# KiCad board klofi.kicad_pcb (continued)
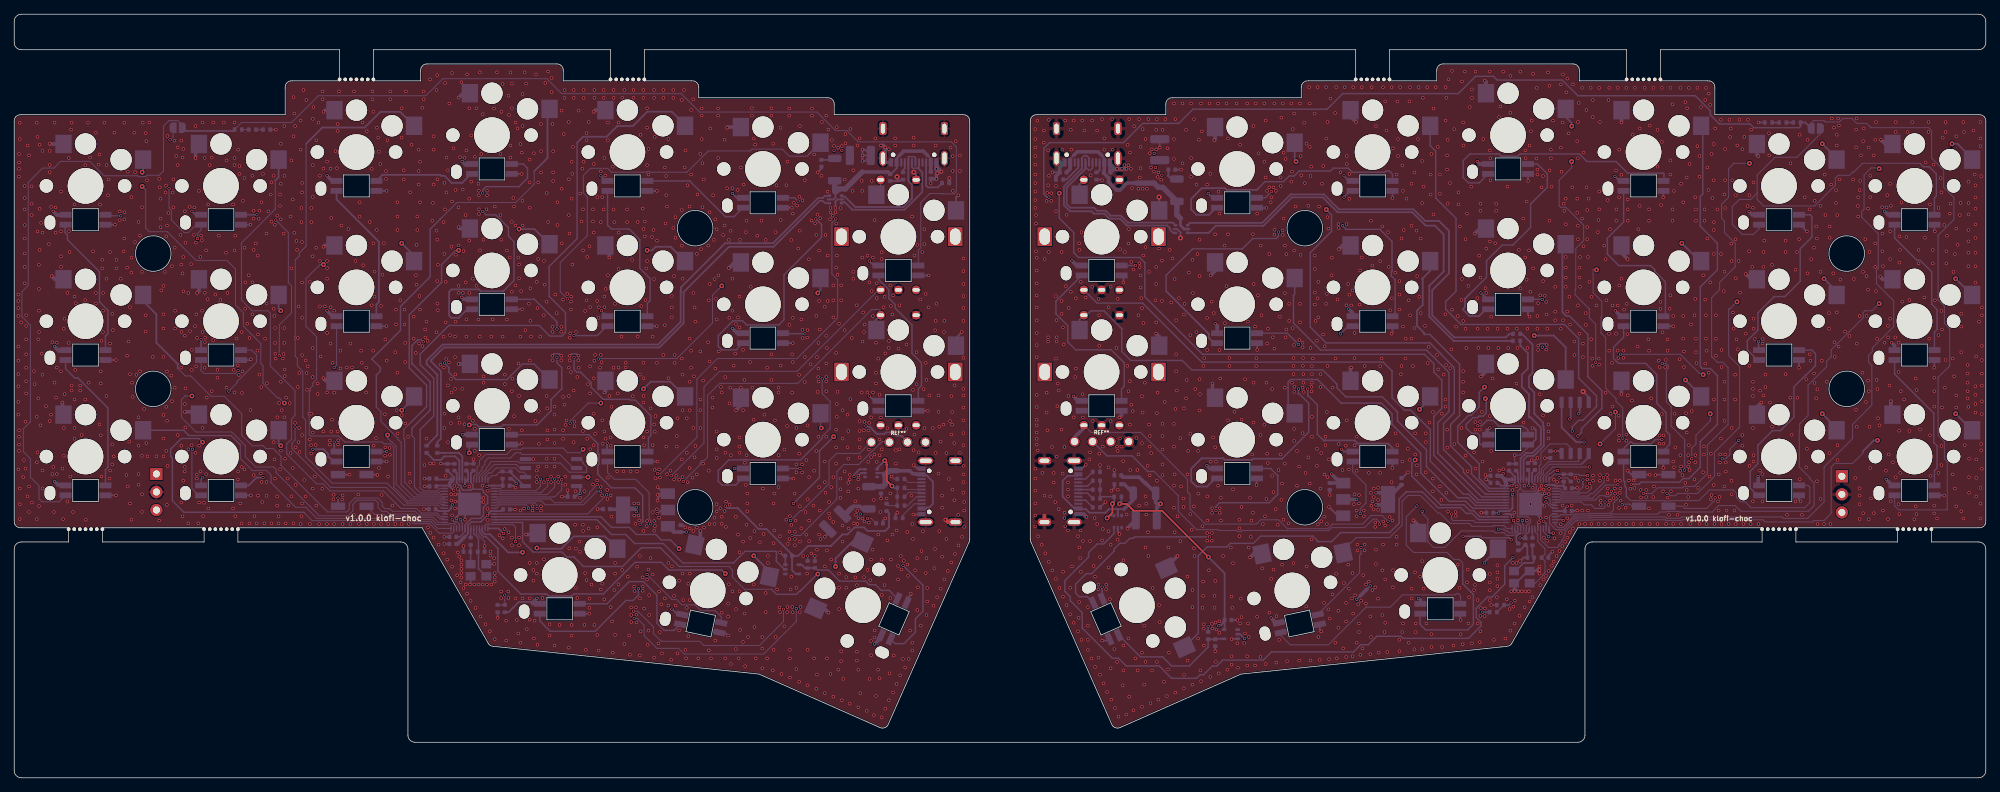
[diagram p0: board, top side]
## Routing (per net, layer and track width the routed paths; a pad name or vN(x,y) marks a point on that pad's centre or on a via; arc(x,y) is an arc through that point) (continued)
/left/AUX-5V: length 17
  Back w0.127: 127.68,42.82 127.59,42.73 J4.A4
  Back w0.254: U4.5 122.09,42.9 122.38,42.62 ; 126.78,42.72 126.68,42.82 ; J4.B4 128.25,37.92 128.4,38.07 128.67,38.07 129.18,38.57 129.18,41.69 128.3,42.57 127.73,42.57 J4.A4
  Back w0.508: 126.68,42.82 126.33,42.82 125.93,43.22 124.18,43.22 ; J4.A4 126.78,42.72
  Back w0.762: 120.88,40.99 122.15,40.99 122.48,41.32 122.48,42.52 122.38,42.62 122.98,43.22 124.18,43.22
/left/AUX-TX: length 10.7
  Front w0.254: v2(123.43,41.07) 122.68,41.82 122.68,44.07 122.65,44.09 122.65,44.4 v2(122.4,44.65)
  Back w0.127: v2(123.43,41.07) 123.38,41.11
  Back w0.152: R8.1 122.68,38.57 122.93,38.32 R12.1 R11.1
  Back w0.254: v2(123.43,41.07) 123.68,40.82 R11.1 ; v2(122.4,44.65) 121.34,43.58 U4.4
/left/D+: length 80.9
  Back w0.254: 114.72,80.92 113.98,80.92 113.68,81.21 113.24,81.21 106.78,74.75 100.49,74.75 94.12,68.38 94.12,63.99 90.7,60.57 60.4,60.57 58.58,58.75 58.58,58.66 59.99,57.25 59.99,47.75 59.49,47.25 R13.1
/left/D-: length 82.4
  Back w0.254: 114.72,81.92 113.98,81.92 113.68,81.63 113.07,81.63 106.69,75.25 105.89,75.25 105.87,75.24 105.48,75.24 105.46,75.25 102.29,75.25 102.27,75.24 101.88,75.24 101.86,75.25 100.69,75.25 100.67,75.24 100.28,75.24 100.26,75.25 99.97,75.25 93.74,69.02 93.74,68.5 93.71,68.47 93.71,64.17 90.53,60.99 60.23,60.99 57.99,58.75 57.99,58.25 59.49,56.75 59.49,48.25 58,46.76 R14.1
/left/D_esd_+: length 19
  Back w0.203: J3.B6 127.23,85.97 127.08,85.82 126.35,85.82 126.23,85.94 J3.A6
  Back w0.254: 127.08,85.82 127.68,85.22 127.68,82.45 125.2,79.97 117.83,79.97 116.79,81.01 116.32,81.01 116.23,80.92
/left/D_esd_-: length 19
  Back w0.203: J3.A7 126.73,87.31 126.6,87.43 125.75,87.43 125.73,87.41 J3.B7
  Back w0.254: 116.23,81.92 116.33,81.82 116.79,81.82 118.26,80.35 125.04,80.35 126.24,81.55 126.24,83.5 125.73,84.01 J3.B7
/left/KEY1: length 64.1
  In1.Cu w0.203: v2(112.99,28.68) 114.42,28.68 v2(115.49,29.75)
  Back w0.152: 95.05,29.75 100.49,29.75 100.99,29.25 100.99,28.25 102.7,26.54 106.48,26.54
  Back w0.203: 106.48,26.54 107.18,25.83 109.99,25.83 110.41,26.25 110.49,26.25 112.99,28.75 112.99,28.74 v2(112.99,28.68) ; 95.05,29.75 93.49,29.75 90.86,32.38 88.18,32.38 85.55,29.75 80.04,29.75 78.71,31.08 77.71,31.08 77.01,31.78 72.96,31.78 71.49,33.25 71.49,35.94 U5.14
  Back w0.254: SW21.1 117.83,33.2 115.49,30.86 v2(115.49,29.75)
/left/KEY2: length 64.4
  In1.Cu w0.203: v2(115.22,48.02) 113.99,49.25 v2(113.49,49.25) ; v1(109.58,38.62) 109,38.62 103.18,32.8 102.03,32.8 99.49,30.25 96.49,30.25 94.49,32.25 v2(93.49,32.25)
  Back w0.203: v2(113.49,49.25) 113.38,49.36 SW18.1 ; U5.12 82.5,36.74 83.99,35.25 86.49,35.25 87.49,34.25 90.22,34.25 90.99,33.48 92.26,33.48 v2(93.49,32.25) ; v2(115.22,48.02) 113.23,46.03 113.23,42.27 v1(109.58,38.62)
/left/KEY3: length 71.2
  In1.Cu w0.152: v1(82.13,58.96) 82.1,58.93 82.1,58.24 81.08,57.22 79.08,57.22 76.53,54.68 76.53,43.3 75.99,42.75 v1(75.99,42.06)
  In1.Cu w0.254: v2(99.49,69.25) 99.84,69.6 106.19,69.6 107.54,68.25 v2(112.99,68.25)
  Back w0.152: v1(82.13,58.96) 82.19,59.02 93.18,59.02 98.19,64.03 98.19,67.95 v2(99.49,69.25) ; v1(75.99,42.06) 75.99,40.93 74.91,39.86 68.36,39.86 68.28,39.94 U5.4
  Back w0.254: SW12.1 113.38,68.64 v2(112.99,68.25)
/left/KEY4: length 93.6
  In1.Cu w0.152: v1(73.99,42.02) 73.99,42.75 74.38,43.14 74.38,56.12 73.85,56.64 73.85,57.39 73.18,58.06 73.18,65.02 74.08,65.92 76.88,65.92 77.78,66.82 v1(77.78,67.42)
  Back w0.152: v1(73.99,42.02) 73.99,41.03 73.38,40.42 68.59,40.42 68.27,40.74 U5.2 ; v1(77.78,67.42) 76.78,68.42 76.78,72.54 80.58,76.34 80.58,81.75 80.02,82.3 80.02,84.79 81.03,85.79 83.44,85.79 83.99,85.25 88.9,85.25 89,85.35 89.35,85.35 89.45,85.25 94.61,85.25 97.6,88.24 103.48,88.24 103.74,88.5 107.99,88.5 108.99,87.5 111.49,87.5 111.74,87.75
  Back w0.254: 113.6,88.52 112.51,88.52 111.74,87.75
/left/KEY5: length 94.4
  Back w0.152: 57.08,46.01 57.08,40.82 57.52,40.38 59.52,40.38 59.88,40.74 U5.41
  Back w0.203: 79.14,89.4 79.14,75.9 75.21,71.97 75.21,67.78 77.51,65.48 77.51,62.67 77.02,62.18 75.31,62.18 73.81,63.68 61.11,63.68 57.09,59.65 57.09,58.15 58.99,56.25 58.99,50.93 57.08,49.02 57.08,46.01
  Back w0.254: 79.14,89.4 79.99,90.25 83.31,90.25 84.81,91.75 86.99,91.75 89.01,93.77 92.47,93.77 94.33,91.91 SW5.1
/left/KEY6: length 59.5
  In1.Cu w0.152: 79.58,68.02 79.58,66.42 77.98,64.82 75.18,64.82 74.58,64.22 74.58,58.12 75.49,57.21 75.49,43.12 75.01,42.64 v1(75.01,42)
  In1.Cu w0.254: 79.58,68.02 79.49,68.11 79.49,71.02 80.21,71.75 80.99,71.75 81.68,72.44 87.18,72.44 v2(88.99,74.25)
  Back w0.152: v1(75.01,42) 75.01,41.05 74.09,40.14 68.48,40.14 68.28,40.34 U5.3
  Back w0.254: v2(88.99,74.25) 89.69,74.25 90.19,74.75 92.31,74.75 SW11.1
/left/KEY7: length 40.1
  In1.Cu w0.152: v1(78.18,49.92) 78.18,47.94 77.58,47.34 77.58,43.34 76.99,42.75 v1(76.99,41.97)
  In1.Cu w0.254: v2(82.49,52.75) 85.33,52.75 86.78,54.2 87.94,54.2 v2(88.49,54.75)
  Back w0.152: 94.48,53.92 94.48,54.62 ; U5.5 76,39.54 76.99,40.53 v1(76.99,41.97) ; v1(78.18,49.92) 78.18,50.22 80.71,52.75 v2(82.49,52.75)
  Back w0.254: SW17.1 92.26,55.75 89.49,55.75 v2(88.49,54.75)
/left/KEY8: length 52.2
  In1.Cu w0.203: v2(103.99,31.25) 102.49,31.25 v2(99.99,28.75)
  Back w0.203: v2(99.99,28.75) 99.49,29.25 92.07,29.25 90.99,30.33 87.29,30.33 82.84,25.88 78.68,25.88 78.39,25.59 75.15,25.59 74.88,25.86 74.88,25.88 74.62,25.88 74.62,25.88 74.2,25.88 74.2,25.88 71.21,25.88 68.01,29.08 68.01,32.28 66.37,33.92 66.01,33.92 65.45,34.48 65.45,34.95 65.41,34.99 U5.18
  Back w0.254: v2(103.99,31.25) 106.2,29.03 SW20.1
/left/KEY9: length 22.7
  In1.Cu w0.254: v2(71.49,31.75) 72.09,32.35 v2(73.49,32.35)
  Back w0.254: 71.68,31.75 v2(71.49,31.75) 71.46,31.73 69.46,31.73 66.91,34.28 66.16,34.28 65.81,34.63 U5.17 ; v2(73.49,32.35) 73.49,32.25 76.94,32.25 78.67,33.98 83.07,33.98 SW19.1
/left/KEY10: length 51.2
  In1.Cu w0.203: v1(60.51,58.38) v1(57.51,61.38)
  Back w0.152: 55.91,48.16 56.28,47.8 56.28,40.92 57.1,40.1 59.7,40.1 59.95,40.34 U5.40
  Back w0.203: v1(60.51,58.38) 61.11,57.78 61.11,57.08 62.13,56.06 69.28,56.06 71.47,58.25 73.09,58.25 SW16.1 ; 55.91,48.16 55.91,49.17 58.49,51.75 58.49,55.75 55.99,58.25 55.91,58.25 55.91,60.84 56.72,61.65 57.24,61.65 v1(57.51,61.38)
/left/KEY11: length 59.5
  In1.Cu w0.254: v2(62.49,74.25) 63.14,74.9 68.64,74.9 v2(70.99,77.25)
  Back w0.152: 55.55,49.81 54.78,49.04 54.78,47.76 54.91,47.62 54.91,41.58 56.68,39.82 60.01,39.82 60.13,39.94 U5.39
  Back w0.203: 55.55,49.81 57.99,52.25 57.99,55.25 55.55,57.69 55.55,65.19 60.09,69.73 60.09,72.25 62.09,74.25 v2(62.49,74.25)
  Back w0.254: v2(70.99,77.25) 73.14,77.25 SW10.1
/left/KEY12: length 77.1
  Back w0.152: 73.11,85.37 73.11,83.58 70.51,80.98 62.24,80.98 60.09,78.83 ; U5.38 60.56,39.54 56.16,39.54 54.41,41.28 54.41,47.18 53.95,47.64 53.95,47.79 51.56,50.18 51.56,51.53 50.91,52.18
  Back w0.203: 50.91,52.18 50.91,56.68 51.49,57.25 51.49,57.75 50.29,58.95 54.31,62.98 54.31,66.36 58.49,70.53 58.49,77.23 60.09,78.83
  Back w0.254: 73.11,85.37 74.99,87.25 74.99,93.88 SW4.1
/left/KEY13: length 85.6
  Back w0.152: 41.04,89.25 41.04,74.83 40.09,73.88 40.09,73.46 39.51,72.88 39.51,62.16 39.45,62.1 39.45,61.74 39.51,61.67 39.51,59.36 39.81,59.06 39.81,57.98 40.58,57.22 40.58,50.77 40.99,50.36 40.99,45.21 44.71,41.48 52.42,41.48 55.16,38.74 55.17,38.74 55.23,38.68 59.83,38.68 60.07,38.44 60.47,38.44 U5.35
  Back w0.254: 41.04,89.25 43.33,91.54 49.28,91.54 51.49,93.75 54.26,93.75 SW3.1
/left/KEY14: length 68.2
  In1.Cu w0.254: v2(54.49,75.25) 54.01,74.77 51.01,74.77 48.49,72.25 v2(43.49,72.25)
  Back w0.152: v2(43.49,72.25) 43.01,72.25 41.01,70.25 41.01,63.58 42.51,62.08 42.51,56.08 41.99,55.55 41.99,55.18 41.6,54.8 41.6,54.44 41.49,54.32 41.49,51.57 41.35,51.43 41.35,51.07 41.49,50.93 41.49,48.3 41.67,48.12 45.63,48.12 46.47,47.28 51.71,47.28 51.97,47.02 52.88,47.02 53.38,46.52 53.38,40.92 55.28,39.02 55.29,39.02 55.33,38.98 59.93,38.98 60.07,38.84 60.47,38.84 U5.36
  Back w0.254: SW9.1 56.23,73.51 v2(54.49,75.25)
/left/KEY15: length 23.2
  In1.Cu w0.152: v2(54.49,51.75) 53.89,51.15 52.93,51.15 51.99,50.2 51.99,49.25 52.49,48.75 v2(52.49,48.25)
  Back w0.152: U5.37 60.47,39.24 60.07,39.24 60.05,39.26 55.78,39.26 53.71,41.32 53.71,46.68 53.07,47.32 52.99,47.32 52.49,47.82 v2(52.49,48.25)
  Back w0.254: v2(54.49,51.75) 56.23,53.49 SW15.1
/left/KEY16: length 69
  In1.Cu w0.203: v2(37.49,46.75) 32.49,46.75 30.99,48.25 28.49,48.25 28.16,47.93 27.16,47.93 v2(26.49,47.25)
  Back w0.152: U5.27 61.81,34.66 61.57,34.43 59.76,34.43 58.41,35.78 56.16,35.78 55.72,36.22 41.87,36.22 40.86,37.23
  Back w0.203: v2(26.49,47.25) 25.97,47.76 23.5,47.76 21.99,46.25 21.99,45.26 22.24,45.01 22.24,39 23.86,37.38 40.71,37.38 40.86,37.23
  Back w0.254: v2(37.49,46.75) 37.18,47.06 SW14.1
/left/KEY17: length 76.6
  In1.Cu w0.152: v2(24.99,53.75) 27.13,55.89 33.02,55.89 34.88,57.75 37.49,57.75 38.49,58.75 38.49,64.75 v2(37.49,65.75)
  Back w0.152: U5.29 59.65,35.94 58.91,36.68 56.67,36.68 56.23,37.12 52.78,37.12 52.41,37.48 51.71,37.48 51.16,38.03 51.16,38.73 50.81,39.08 48.21,39.08 47.63,38.5 47.63,37.6 46.91,36.88 42.91,36.88 36.81,42.98 36.81,43.42 36.49,43.75 33.97,43.75 32.49,45.23 32.49,46.78 30.59,48.68 25.56,48.68 23.51,50.73 23.51,53.25 24.01,53.75 v2(24.99,53.75)
  Back w0.254: v2(37.49,65.75) 37.18,66.06 SW8.1
/left/KEY18: length 74.4
  Back w0.152: 36.71,84.08 36.71,80.06 31.95,75.29 31.95,67.25 33.45,65.75 35.64,65.75 36.01,65.38 36.01,57.97 39.49,54.5 39.49,51 38.99,50.5 38.99,47.68 38.31,47 38.31,45.58 42.51,41.38 43.41,41.38 44.41,40.38 51.91,40.38 53.57,38.71 53.58,38.71 54.38,37.92 56.58,37.92 57.23,37.27 59.43,37.27 59.95,36.74 U5.31
  Back w0.254: 36.71,84.08 37.18,84.54 SW2.1
/left/KEY19: length 79.1
  In1.Cu w0.152: v1(39.49,49.38) 39.36,49.38 38.74,50 38.74,52 v2(37.99,52.75)
  In1.Cu w0.254: v2(17.99,85.25) v2(17.99,83.25)
  Back w0.152: v2(37.99,52.75) 37.24,53.5 36.99,53.5 34.99,55.5 34.99,58.01 34.68,58.32 34.68,61.12 32.21,63.58 32.21,65.48 31.11,66.58 31.11,71.62 29.91,72.83 25.56,72.83 21.51,76.88 18.99,76.88 18.49,77.38 18.49,82.75 v2(17.99,83.25) ; U5.34 60.05,37.94 59.61,38.38 54.81,38.38 52.31,40.88 44.51,40.88 39.06,46.33 39.06,47.13 39.49,47.56 v1(39.49,49.38)
  Back w0.254: v2(17.99,85.25) 18.13,85.39 SW1.1
/left/KEY20: length 63.6
  Back w0.152: U5.30 60.47,36.44 60.07,36.44 60.05,36.46 59.84,36.46 59.32,36.98 56.91,36.98 56.38,37.52 53.18,37.52 52.81,37.88 52.11,37.88 51.76,38.23 51.76,38.73 51.11,39.38 47.91,39.38 47.11,38.58 47.11,37.78 46.76,37.43 44.06,37.43 37.51,43.98 37.51,45.25 36.41,46.35 35.39,46.35 34.99,46.75 33.47,46.75 31.99,48.23 31.99,51.25 29.53,53.71 27.68,53.71 24.81,56.57 24.06,56.57 22.99,57.64
  Back w0.254: SW7.1 18.13,67.11 19.99,65.25 19.99,61.25 22.99,58.25 22.99,57.64
/left/KEY21: length 50.9
  Back w0.152: 31.79,46.88 31.79,44.95 33.49,43.25 33.99,43.25 34.02,43.28 35.46,43.28 36.11,42.62 36.11,41.53 39.56,38.08 41.01,38.08 42.57,36.52 55.82,36.52 56.28,36.06 58.58,36.06 59.54,35.1 61.21,35.1
  Back w0.203: U5.28 61.21,35.1 ; 18.09,48.96 SW13.1 23.81,48.92 24.56,48.18 30.49,48.18 31.79,46.88
/left/KEYEX1: length 90.6
  In1.Cu w0.152: v1(81.98,41.25) 82.48,41.75 83.04,41.75 83.08,41.72 88.78,41.72 89.88,42.82 v1(90.48,42.82)
  In1.Cu w0.254: v1(115.53,78.67) 115.61,78.75 117.74,78.75 121.83,82.84 EXSW1.S2
  Back w0.152: 115.58,78.72 114.98,78.12 114.98,70.92 115.78,70.12 115.78,64.72 110.08,59.02 98.88,59.02 95.99,56.13 95.99,47.93 90.88,42.82 v1(90.48,42.82) ; U5.6 67.84,39.14 67.96,39.26 75.43,39.26 75.98,38.72 79.68,38.72 80.88,39.92 80.88,40.15 v1(81.98,41.25)
  Back w0.254: EXSW1.S2 121.83,82.68 EXSW1.S2
/left/KEYEX2: length 75.2
  In1.Cu w0.152: v1(94.08,41.72) 92.8,40.44 83.91,40.44 83.37,39.9 83.24,39.9 v1(83.3,39.83)
  Back w0.152: v1(83.3,39.83) 80.61,37.14 U5.11 ; v1(94.08,41.72) 96.45,44.09 96.45,44.4 96.7,44.65 97,44.65 97.49,45.13 97.49,53.83 99.18,55.52 110.18,55.52 120.58,65.92 121.58,65.92 121.83,65.67 121.83,64.73
  Back w0.254: EXSW2.S2 121.1,63.16 121.1,64.4 EXSW2.S2
/left/LED: length 46
  Back w0.203: 107.18,30.61 107.17,30.61 ; 107.17,30.61 107.17,30.46 108.28,29.35 U6.2 ; 107.17,30.61 107.17,31.03 107.18,31.03 107.18,31.82 107.12,31.88 102.76,31.88 101.13,30.25 93.99,30.25 91.26,32.98 87.26,32.98 85.99,34.25 83.99,34.25 81.9,36.34 U5.13
/left/LED_LVL_UP: length 15.8
  Back w0.203: LED21.4 123.04,26.38 121.91,26.38 121.11,27.18 120.21,27.18 119.71,27.68 116.06,27.68 114.49,29.25 112.94,29.25 112.63,29.57
  Back w0.254: C25.1 111.61,29.54 R19.1 111.23,29.51 110.74,30 U6.4
/left/QSPI_SCLK: length 17.8
  Back w0.152: 79.55,43.6 78.64,43.6 76.73,45.52 71.39,45.52 71.16,45.75 70.49,45.75 69.76,45.02 66.68,45.02 66.18,44.52 66.18,44.12 65.78,43.72 65.78,43.32 65.38,42.92 65.38,42.82 65.01,42.45 U5.52
/left/QSPI_SD0: length 19.5
  Back w0.152: U5.53 65.41,42.45 66.38,43.42 66.38,43.62 66.83,44.07 66.83,44.27 67.08,44.52 70.88,44.52 71.08,44.32 76.78,44.32 78.08,43.02 80.48,43.02 80.49,43.03 80.49,43.75 79.99,44.25 79.99,44.43 79.55,44.87
/left/QSPI_SD1: length 7.6
  Back w0.152: U5.55 66.21,42.38 66.75,42.92 67.08,42.92 67.78,43.62 70.48,43.62 71.08,43.02 71.66,43.02 72.35,42.33
/left/QSPI_SD2: length 7.9
  Back w0.152: 72.35,43.6 71.09,43.6 70.58,44.12 67.51,44.12 65.81,42.41 U5.54
/left/QSPI_SD3: length 26.1
  In1.Cu w0.152: v2(80.69,42.33) 79.99,43.03 v2(79.99,46.25)
  Back w0.152: 78.57,42.33 v2(80.69,42.33) ; U5.51 64.61,42.45 65.09,42.93 65.09,43.73 65.43,44.07 65.43,44.67 66.28,45.52 69.26,45.52 69.99,46.25 71.32,46.25 71.49,46.42 77.18,46.42 77.83,45.77 79.51,45.77 v2(79.99,46.25)
  Back w0.254: 79.91,42.33 U3.7 ; v2(80.69,42.33) 80.54,42.18
/left/QSPI_SS: length 7.3
  Back w0.152: U5.56 67.16,42.53 67.71,42.53 68.2,43.02 69.89,43.02 ; 72.03,41.06 72.35,41.06 72.15,41.06
  Back w0.254: U3.1 71.72,41.06 69.78,43.01 R4.1
/left/RE0A: length 71.9
  In1.Cu w0.152: v1(82.46,40.33) 82.88,40.75 82.99,40.75 83.36,41.12 88.9,41.12 89.18,41.4 91.25,41.4 v1(92.38,42.52)
  Back w0.152: EXSW1.A 121.54,68.68 110.08,57.22 99.18,57.22 96.99,55.03 96.99,47.13 v1(92.38,42.52) ; U5.7 67.84,38.74 68.08,38.98 74.11,38.98 74.66,38.44 80.05,38.44 81.94,40.33 v1(82.46,40.33)
/left/RE1A: length 93.7
  In1.Cu w0.152: v1(73.52,37.91) 73.52,34.72 75.99,32.25 77.49,32.25 77.99,31.75 78.99,31.75 80.49,30.25 83.14,30.25 83.88,29.52 83.88,24.92 85.34,23.45 v1(87.1,23.45) ; v1(109.18,36.22) 105.38,32.42 105.38,27.32 108.18,24.52 v1(108.18,23.72)
  In1.Cu w0.254: 120.52,47.33 121.83,48.64 EXSW2.A
  Back w0.152: v1(108.18,23.72) 108.18,22.02 104.78,18.62 96.98,18.62 96.38,19.22 90.98,19.22 89.88,20.32 89.88,21.25 87.67,23.45 v1(87.1,23.45) ; 120.52,47.33 118.84,45.66 115.61,45.66 114.58,44.62 114.58,41.39 110.8,37.62 110.58,37.62 v1(109.18,36.22) ; U5.8 67.84,38.34 68.08,38.58 68.08,38.59 68.2,38.7 73.19,38.7 73.52,38.37 v1(73.52,37.91) 73.53,37.92 73.58,37.92
/left/REB: length 120.9
  In1.Cu w0.152: v1(72.31,37.94) 72.31,35.18 75.68,31.82 76.98,31.82 77.68,31.12 78.68,31.12 79.78,30.02 79.78,27.02 84.38,22.42 v1(87.18,22.42) ; v1(109.38,34.12) 108.68,34.12 106.78,32.22 106.78,27.82 109.98,24.62 v1(109.98,23.82)
  In1.Cu w0.203: EXSW2.B 127.67,49.63 129.38,51.33 129.38,54.12 127.67,55.82 127.67,58.92 127.49,59.1 127.49,63.25 128.12,63.88 128.12,67.38 EXSW1.B
  In1.Cu w0.254: EXSW2.B 125.71,48.52 124.88,48.52 123.69,47.33 123.06,47.33
  Back w0.152: v1(72.31,37.94) 72.31,38.11 72,38.42 68.32,38.42 68.08,38.19 68.08,38.18 67.94,38.04 67.89,38.04 67.8,37.94 U5.9 ; 123.06,47.33 122.06,47.33 121.87,47.14 121.8,47.14 118.75,44.1 116.65,44.1 115.68,43.12 115.68,39.22 110.58,34.12 v1(109.38,34.12) ; v1(109.98,23.82) 109.98,22.02 105.38,17.42 94.22,17.42 93.42,18.22 90.38,18.22 88.58,20.02 88.58,21.48 87.64,22.42 v1(87.18,22.42)
/left/SWCLK: length 50.1
  In1.Cu w0.152: 19.99,42.52 J1.1 22.15,42.77 22.49,42.44 ; v1(62.77,36.32) 62.78,36.33 62.78,37.12 62.48,37.42 61.77,37.42 61.77,37.42 61.38,37.42 61.38,37.42 61.18,37.42 60.78,37.02 56.07,37.02 55.31,37.78 35.04,37.78 34.58,37.32 25.99,37.32 25.49,37.82 25.49,40.9 23.95,42.44 22.49,42.44 ; 22.49,42.44 22.38,42.44
  Back w0.152: U5.24 63.01,35.79 62.88,35.92 62.88,36.21 v1(62.77,36.32)
/left/SWD: length 44.1
  In1.Cu w0.152: 19.99,37.44 20.24,37.69 22.04,37.69 23.42,36.32 v1(61.58,36.32)
  Back w0.152: U5.25 62.61,35.69 62.25,36.04 62.06,36.04 62.04,36.06 61.83,36.06 v1(61.58,36.32)
/left/TX: length 110.6
  In1.Cu w0.254: v1(118.08,42.42) 118.08,39.52 117.38,38.82 117.38,35.72 120.23,32.87 123.93,32.87 127.58,29.22 127.58,27.07 127.6,27.04 127.6,26.6 127.58,26.57 127.58,22.42 126.88,21.72 126.88,20.52 125.68,19.32 125.68,18.32 121.98,14.62 115.58,14.62 112.78,17.42 94.18,17.42 93.48,18.12 87.38,18.12 86.08,19.42 74.28,19.42 73.38,20.32 71.78,20.32 67.68,24.42 67.68,26.72 68.28,27.32 68.28,28.12 69.08,28.92 69.08,33.36 69.21,33.5 69.21,33.98 v1(68.81,34.38)
  Back w0.254: U5.15 68.09,35.1 v1(68.81,34.38) ; v1(118.08,42.42) 118.08,42.65 118.86,43.44 U4.3
/left/USB_VBUS_PIN: length 17.6
  In1.Cu w0.152: v1(70.49,33.25) 70.49,32.43 69.78,31.72 69.78,28.32 68.98,27.52 v1(68.98,25.72)
  Back w0.152: U5.16 66.21,35.54 66.41,35.74 66.76,35.74 66.87,35.63 70.16,35.63 70.49,35.31 v1(70.49,33.25) ; v1(68.98,25.72) R1.2 R3.1
/right/AUX-5V: length 20.4
  Back w0.152: 157.35,39.12 rFB2.1
  Back w0.254: J6.B4 149.4,42.51 148.11,42.51 147.43,41.82 147.43,39.57 149.08,37.92 J6.A4 149.62,37.88 149.68,37.82 150.68,37.82 151.18,37.32 153.43,37.32 153.93,37.82 155.18,37.82 ; 155.18,37.82 156.05,37.82 ; 155.18,37.82 rU4.5
  Back w0.508: 156.05,37.82 157.35,39.12 ; rC21.1 156.1,41.32 rFB2.1
/right/AUX-TX: length 9.6
  Front w0.152: v2(153.68,36.57) 153.68,36.8
  Front w0.254: v2(153.68,36.57) 154.43,37.32 154.43,38.82
  Back w0.152: 152.69,40.56 152.68,40.57 rR10.2 ; 152.94,39.57 rR11.1
  Back w0.203: rR12.1 rR10.2 ; 152.69,40.56 rR11.1 ; rR9.1 152.94,39.57
  Back w0.254: v2(153.68,36.57) 154.03,36.92 rU4.4 ; v2(154.43,38.57) 154.67,38.81 rR9.1
/right/D+: length 66.4
  Back w0.254: rR13.1 210.24,62.5 209.74,62 202.49,62 199.38,65.1 199.38,68.64 201.74,71 201.74,77 200.34,78.4 198.39,78.4 196.76,80.03 186.26,80.03 184.16,82.13 179.49,82.13 175.49,78.13 165.33,78.13 rU2.4
/right/D-: length 65.8
  Back w0.254: rR14.1 202.4,61.5 198.97,64.93 198.97,69.25 200.97,71.25 200.99,71.25 200.99,76.5 199.76,77.73 198.47,77.73 196.59,79.61 186.09,79.61 183.99,81.71 179.66,81.71 175.66,77.71 168.95,77.71 167.95,76.71 rU2.6
/right/esd_D+: length 26.2
  Back w0.203: J5.B6 151.63,85.85 151.34,85.57 151.05,85.57 150.63,86 J5.A6
  Back w0.254: rU2.3 162.92,78.15 156.59,78.15 155.61,79.12 154.16,79.12 153.46,79.83 152.26,79.83 151.84,80.25 148.49,80.25 147.99,80.75 147.99,83.09 150.58,85.68 150.58,85.72 150.63,85.77 J5.A6
/right/esd_D-: length 27
  Back w0.203: J5.A7 151.13,87.26 150.82,87.57 150.43,87.57 150.13,87.26 J5.B7
  Back w0.254: J5.B7 150.13,85.77 147.61,83.25 147.61,80.59 148.45,79.75 151.49,79.75 151.83,79.41 153.29,79.41 153.99,78.71 155.49,78.71 156.45,77.75 162.13,77.75 162.49,77.39 162.49,77.18 162.96,76.71 rU2.1
/right/KEY1: length 65
  Back w0.203: rU5.30 205.88,36.34 205,37.22 204.18,37.22 203.38,38.02 200.22,38.02 197.99,40.25 195.74,40.25 194.74,39.25 194.74,35.84 193.41,34.52 186.51,34.52 185.24,33.25 183.24,33.25 183.24,33.4 182.61,34.02 175.26,34.02 174.24,33 170.99,33 170.49,32.5 167.74,32.5 166.49,31.25 166.49,20.34 rSW21.1
/right/KEY2: length 45.6
  Back w0.203: rSW18.1 179.13,52.23 179.13,55.72 179.49,56.07 183.26,56.07 186.59,52.75 192.24,52.75 193.74,51.25 193.74,49.75 197.78,45.71 197.78,42.92 201.78,38.92 204.1,38.92 205.08,37.94 rU5.34
/right/KEY3: length 55.3
  Back w0.203: rU5.38 206.35,39.54 200.18,45.72 200.18,50 201.74,51.56 201.74,57.06 198.58,60.22 183.68,60.22 179.88,64.02 179.88,67.92 180.05,68.09 rSW12.1
/right/KEY4: length 75.8
  In1.Cu w0.203: v2(180.24,86.75) 181.74,85.25 181.74,84.61 184.49,81.86 v2(184.49,80)
  Back w0.203: v2(184.49,80) 185.23,79.26 185.23,76.92 182.24,73.92 182.24,63.46 184.48,61.22 199.08,61.22 200.68,59.62 200.68,59.56 202.49,57.75 202.49,51.37 200.98,49.86 200.98,46.22 203.78,43.42 203.78,43.02 206.85,39.94 rU5.39
  Back w0.254: v2(180.24,86.75) 180.05,86.94 rSW6.1
/right/KEY5: length 80.8
  In1.Cu w0.152: v1(219.08,48.82) 218.35,48.1 218.35,42.73 219.76,41.32 220.86,41.32 220.98,41.44 v1(221.5,41.44)
  Back w0.152: v1(221.5,41.44) 221.78,41.16 221.78,40.72 221.18,40.12 220.15,40.12 219.97,39.94 217.71,39.94 217.3,40.34 rU5.3
  Back w0.203: v1(219.08,48.82) 219.08,49.42 219.98,50.32 220.56,50.32 222.49,52.25 222.49,53.75 219.98,56.26 219.98,61.82 217.98,63.82 203.42,63.82 201.28,65.96 201.28,67.04 202.74,68.5 202.74,78.76 199.88,81.62 199.88,88.22 199.1,88.99 rSW5.1
/right/KEY6: length 41.4
  Back w0.203: 198.24,62.42 199.04,62.42 203.24,58.22 203.24,51 201.98,49.74 201.98,46.72 204.92,43.77 204.92,42.76 207.34,40.34 rU5.40
  Back w0.254: 198.24,62.42 198.24,62.63 197.24,63.63 197.24,65.75 198.06,66.57 198.06,70.18 197.99,70.25 199.1,71.36 rSW11.1
/right/KEY7: length 28
  In1.Cu w0.203: v2(196.99,44.75) 197.99,45.75 197.99,51.5 197.49,52
  Back w0.203: rU5.31 206.08,36.74 205.21,37.61 204.68,37.61 203.87,38.42 200.58,38.42 196.52,42.48 196.52,44.28 v2(196.99,44.75)
  Back w0.254: v2(197.61,51.87) 198.22,52.48 198.22,53.69
/right/KEY8: length 29.6
  Back w0.152: 187.78,32.92 188.68,33.82 193.39,33.82 195.16,35.58 195.16,38.92 195.99,39.75 197.74,39.75 200.24,37.25 200.49,37.25 201.94,35.8 204.59,35.8 204.99,35.4 207.93,35.4 208.03,35.5 209.49,35.5 209.89,35.1 rU5.28
/right/KEY9: length 12.9
  In1.Cu w0.152: v1(206.74,30.25) 207.49,31 207.49,33.75 v1(208.74,35)
  Back w0.152: rU5.27 211.02,34.7 210.78,34.46 210.24,34.46 209.99,34.71 209.99,34.75 209.74,34.75 209.49,35 v1(208.74,35) ; 207.78,32.02 208.08,32.32 208.08,33.42
  Back w0.254: rSW19.1 206.74,30.37 v1(206.74,30.25)
/right/KEY10: length 41.6
  In1.Cu w0.203: 212.24,59 212.24,57.75 210.74,56.25 209.24,56.25 207.99,55 v2(206.74,55)
  In1.Cu w0.254: 212.24,59 213.74,60.5 v2(213.74,62.25)
  Back w0.203: v2(206.74,55) 205.99,54.25 205.99,52.17 204.81,51 204.49,51 202.99,49.5 202.97,49.5 202.97,47.23 206,44.19 206,42.15 207.41,40.74 rU5.41
  Back w0.254: rSW16.1 218.15,60.59 216.49,62.25 v2(213.74,62.25)
/right/KEY11: length 43.5
  In1.Cu w0.203: v1(220.58,41.92) 219.38,43.12 219.38,47.07 219.88,47.57 v1(219.88,48.12)
  Back w0.152: 220.58,41.32 220.58,40.94 219.85,40.22 217.82,40.22 217.3,40.74 rU5.2
  Back w0.203: v1(219.88,48.12) 220.38,48.62 220.38,49.14 223.24,52 223.24,54.5 221.24,56.5 221.28,56.54 221.28,62.42 218.68,65.02 218.24,65.02 ; 220.58,41.32 v1(220.58,41.92)
  Back w0.254: 218.24,65.02 217.7,65.56 217.7,74.66 rSW10.1
/right/KEY12: length 66
  In1.Cu w0.152: 218.99,91.75 v2(219,91.73) 219,86.77 v2(218.99,86.75) ; v1(222.38,58.5) 222.38,54.82 222.58,54.62 222.58,50.56 222.47,50.45 222.47,49.52 222.58,49.42 222.58,48.42 223.2,47.8 223.27,47.8 223.55,47.52 223.55,45.91 223.13,45.49 223.13,44.18 223.5,43.81 223.5,42.27 v1(223.48,42.24)
  Back w0.152: v1(222.38,58.5) 222.38,63.86 221.49,64.75 221.49,66 219.49,68 219.49,68.73 219.58,68.82 219.58,74.52 220.68,75.62 220.68,77.82 218.18,80.32 217.42,80.32 217.24,80.5 217.24,84.13 218.99,85.88 v2(218.99,86.75) ; v1(223.48,42.24) 223.55,42.17 223.55,41.59 221.98,40.02 221.68,40.02 221.31,39.66 217.59,39.66 217.31,39.94 rU5.4
  Back w0.254: rSW4.1 218.15,93.02 219,92.17 v2(219,91.73)
/right/KEY13: length 75.2
  In1.Cu w0.203: v1(225.49,41.26) 226.02,41.26 226.08,41.32 v1(227.38,41.32)
  Back w0.152: v1(225.49,41.26) 225.44,41.22 223.78,41.22 221.93,39.38 217.47,39.38 217.31,39.54 rU5.5
  Back w0.203: rSW3.1 237.43,91.56 237.43,82.17 237.08,81.82 237.08,77.66 239.49,75.25 239.49,71.5 237.08,69.09 237.08,57.92 237.38,57.62 238.49,57.62 239.49,56.62 239.49,49.75 237.08,47.34 237.08,43.72 235.48,42.12 234.68,42.12 234.18,41.62 228.78,41.62 228.48,41.32 v1(227.38,41.32)
/right/KEY14: length 60.4
  In1.Cu w0.152: v1(226.18,47.82) 226.18,43.52 224.58,41.92 v1(224.58,40.34)
  In1.Cu w0.254: v2(222.49,71.5) 226.24,71.5 227.47,72.73 230.47,72.73 232.99,75.25 v2(234.49,75.25)
  Back w0.152: rU5.6 217.31,39.14 217.36,39.1 222.3,39.1 222.93,39.72 223.67,39.72 223.83,39.56 224.23,39.56 224.51,39.84 224.51,39.85 224.58,39.92 v1(224.58,40.34) ; v1(226.18,47.82) 226.18,52.06 225.24,53 225.24,53.36 223.78,54.83 223.78,61.96 223.13,62.61 223.13,64.89 223.24,65 223.24,67.06 222.02,68.28 222.02,71.58 222.41,71.58 v2(222.49,71.5)
  Back w0.254: v2(234.49,75.25) 237,72.74 rSW9.1
/right/KEY15: length 37.4
  In1.Cu w0.152: v2(234.99,56) 233.74,56 231.74,54 227.65,54 v2(225.15,51.5) ; v2(222.99,47) 222.99,46.5 222.49,46 222.49,43.33 222.48,43.32 222.48,40.62 223.7,39.39 223.7,38.84 v1(223.68,38.82)
  Back w0.152: v2(225.15,51.5) 225.15,49.16 v2(222.99,47) ; v1(223.68,38.82) 223.68,38.12 223.48,37.92 222.28,37.92 221.78,38.42 220.78,38.42 220.38,38.82 217.24,38.82 217.24,38.82 216.74,38.82 rU5.7
  Back w0.254: v2(234.99,56) 237.2,53.79 rSW15.1
/right/KEY16: length 101
  In1.Cu w0.152: v1(240.18,44.92) v1(235.88,44.92) ; v2(237.49,56.75) 238.24,56 238.24,52 238.49,51.75 v2(238.49,51.25) ; v1(225.88,59.62) 222.18,59.62 222.02,59.47 221.49,60 218.74,60 216.99,58.25 214.74,58.25 213.24,56.75 213.24,54.25 213.96,53.53 213.96,46.3 211.88,44.22 209.08,44.22 208.13,43.27 208.13,42.37 206.28,40.52 204.68,40.52 202.11,37.95 202.11,37.13 v1(202.13,37.12)